# KiCad board panel.kicad_pcb (continued)
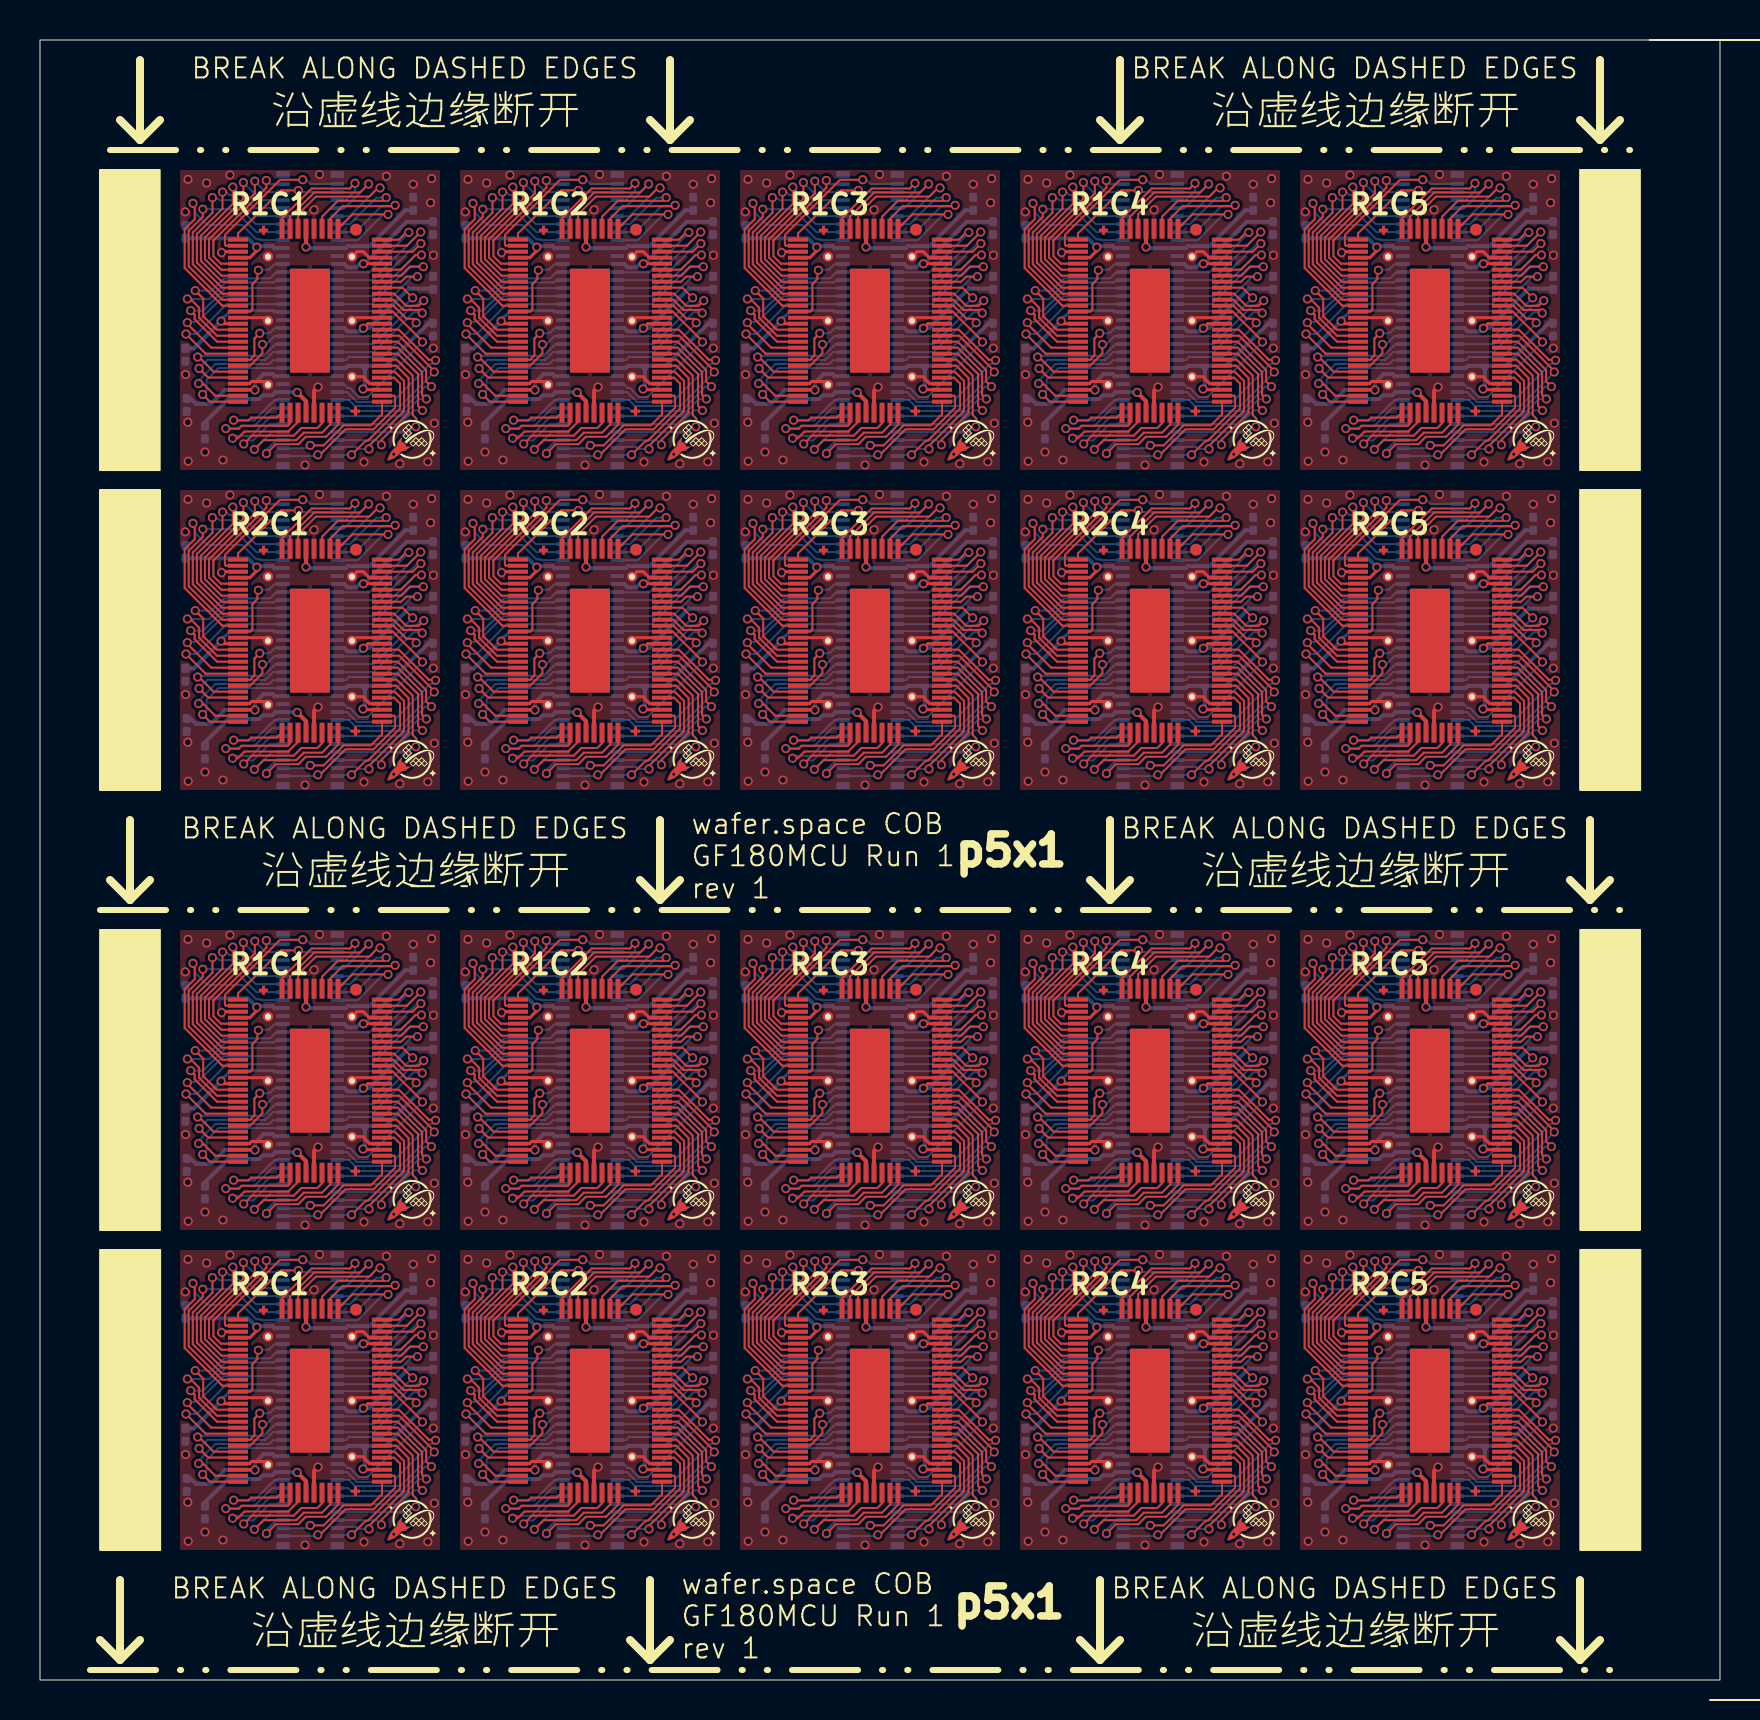
[diagram p0: board, top side]
## Routing (per net, layer and track width the routed paths; a pad name or vN(x,y) marks a point on that pad's centre or on a via; arc(x,y) is an arc through that point) (continued)
/an_2: length 140.9
  Top w0.1: U112.39 12.9,46.91 12.41,46.42 10.22,46.42 9.89,46.09 v1(9.63,46.09) ; U110.39 68.9,24.91 68.41,24.42 66.22,24.42 65.89,24.09 v1(65.63,24.09) ; v1(51.63,24.09) 51.89,24.09 52.22,24.42 54.41,24.42 54.9,24.91 U108.39 ; U110#2.39 68.9,62.91 68.41,62.42 66.22,62.42 65.89,62.09 v1(65.63,62.09) ; U118.39 54.9,46.91 54.41,46.42 52.22,46.42 51.89,46.09 v1(51.63,46.09) ; U106#2.39 40.9,62.91 40.41,62.42 38.22,62.42 37.89,62.09 v1(37.63,62.09) ; U108#2.39 54.9,62.91 54.41,62.42 52.22,62.42 51.89,62.09 v1(51.63,62.09) ; U114#2.39 26.9,8.91 26.41,8.42 24.22,8.42 23.89,8.09 v1(23.63,8.09) ; U114.39 26.9,46.91 26.41,46.42 24.22,46.42 23.89,46.09 v1(23.63,46.09) ; v1(65.63,46.09) 65.89,46.09 66.22,46.42 68.41,46.42 68.9,46.91 U120#2.39 ; v1(37.63,24.09) 37.89,24.09 38.22,24.42 40.41,24.42 40.9,24.91 U106.39 ; v1(23.63,62.09) 23.89,62.09 24.22,62.42 26.41,62.42 26.9,62.91 U104#2.39 ; U120.39 68.9,8.91 68.41,8.42 66.22,8.42 65.89,8.09 v1(65.63,8.09) ; v1(9.63,62.09) 9.89,62.09 10.22,62.42 12.41,62.42 12.9,62.91 U102#2.39 ; U102.39 12.9,24.91 12.41,24.42 10.22,24.42 9.89,24.09 v1(9.63,24.09) ; U104.39 26.9,24.91 26.41,24.42 24.22,24.42 23.89,24.09 v1(23.63,24.09) ; v1(37.63,46.09) 37.89,46.09 38.22,46.42 40.41,46.42 40.9,46.91 U116.39 ; U112#2.39 12.9,8.91 12.41,8.42 10.22,8.42 9.89,8.09 v1(9.63,8.09) ; U116#2.39 40.9,8.91 40.41,8.42 38.22,8.42 37.89,8.09 v1(37.63,8.09) ; U118#2.39 54.9,8.91 54.41,8.42 52.22,8.42 51.89,8.09 v1(51.63,8.09)
  Bottom w0.1: U101#2.41 11.55,25.2 10.57,24.21 9.75,24.21 v1(9.63,24.09) ; v1(51.63,8.09) 51.75,8.21 52.57,8.21 53.55,9.2 U117.41 ; U113.41 25.55,47.2 24.57,46.21 23.75,46.21 v1(23.63,46.09) ; v1(65.63,46.09) 65.75,46.21 66.57,46.21 67.56,47.2 U119#2.41 ; v1(23.63,24.09) 23.75,24.21 24.57,24.21 25.55,25.2 U103.41 ; v1(65.63,24.09) 65.75,24.21 66.57,24.21 67.56,25.2 U109#2.41 ; v1(37.63,8.09) 37.75,8.21 38.57,8.21 39.55,9.2 U115.41 ; v1(23.63,62.09) 23.75,62.21 24.57,62.21 25.55,63.2 U103#2.41 ; U105#2.41 39.55,63.2 38.57,62.21 37.75,62.21 v1(37.63,62.09) ; U111.41 11.55,47.2 10.57,46.21 9.75,46.21 v1(9.63,46.09) ; v1(65.63,62.09) 65.75,62.21 66.57,62.21 67.56,63.2 U109.41 ; U101.41 11.55,63.2 10.57,62.21 9.75,62.21 v1(9.63,62.09) ; v1(51.63,46.09) 51.75,46.21 52.57,46.21 53.55,47.2 U117#2.41 ; v1(37.63,24.09) 37.75,24.21 38.57,24.21 39.55,25.2 U105.41 ; U107#2.41 53.55,25.2 52.57,24.21 51.75,24.21 v1(51.63,24.09) ; U119.41 67.56,9.2 66.57,8.21 65.75,8.21 v1(65.63,8.09) ; U107.41 53.55,63.2 52.57,62.21 51.75,62.21 v1(51.63,62.09) ; v1(9.63,8.09) 9.75,8.21 10.57,8.21 11.55,9.2 U111#2.41 ; U115#2.41 39.55,47.2 38.57,46.21 37.75,46.21 v1(37.63,46.09) ; v1(23.63,8.09) 23.75,8.21 24.57,8.21 25.55,9.2 U113#2.41
/an_3: length 148.9
  Top w0.1: v1(24.18,7.81) 24.6,8.22 26.69,8.22 27.07,8.6 27.87,8.6 28.1,8.83 U114#2.42 ; v1(24.18,23.81) 24.6,24.22 26.69,24.22 27.07,24.6 27.87,24.6 28.1,24.83 U104.42 ; U110#2.42 70.1,62.83 69.87,62.6 69.07,62.6 68.69,62.22 66.6,62.22 v1(66.19,61.81) ; U112.42 14.1,46.83 13.87,46.6 13.07,46.6 12.69,46.22 10.6,46.22 v1(10.18,45.81) ; U106#2.42 42.1,62.83 41.87,62.6 41.07,62.6 40.69,62.22 38.6,62.22 v1(38.18,61.81) ; U118.42 56.1,46.83 55.87,46.6 55.07,46.6 54.69,46.22 52.6,46.22 v1(52.18,45.81) ; v1(66.19,45.81) 66.6,46.22 68.69,46.22 69.07,46.6 69.87,46.6 70.1,46.83 U120#2.42 ; U104#2.42 28.1,62.83 27.87,62.6 27.07,62.6 26.69,62.22 24.6,62.22 v1(24.18,61.81) ; v1(10.18,23.81) 10.6,24.22 12.69,24.22 13.07,24.6 13.87,24.6 14.1,24.83 U102.42 ; U108#2.42 56.1,62.83 55.87,62.6 55.07,62.6 54.69,62.22 52.6,62.22 v1(52.18,61.81) ; U110.42 70.1,24.83 69.87,24.6 69.07,24.6 68.69,24.22 66.6,24.22 v1(66.19,23.81) ; U116.42 42.1,46.83 41.87,46.6 41.07,46.6 40.69,46.22 38.6,46.22 v1(38.18,45.81) ; U120.42 70.1,8.83 69.87,8.6 69.07,8.6 68.69,8.22 66.6,8.22 v1(66.19,7.81) ; v1(52.18,7.81) 52.6,8.22 54.69,8.22 55.07,8.6 55.87,8.6 56.1,8.83 U118#2.42 ; U106.42 42.1,24.83 41.87,24.6 41.07,24.6 40.69,24.22 38.6,24.22 v1(38.18,23.81) ; U116#2.42 42.1,8.83 41.87,8.6 41.07,8.6 40.69,8.22 38.6,8.22 v1(38.18,7.81) ; U112#2.42 14.1,8.83 13.87,8.6 13.07,8.6 12.69,8.22 10.6,8.22 v1(10.18,7.81) ; U114.42 28.1,46.83 27.87,46.6 27.07,46.6 26.69,46.22 24.6,46.22 v1(24.18,45.81) ; v1(10.18,61.81) 10.6,62.22 12.69,62.22 13.07,62.6 13.87,62.6 14.1,62.83 U102#2.42 ; U108.42 56.1,24.83 55.87,24.6 55.07,24.6 54.69,24.22 52.6,24.22 v1(52.18,23.81)
  Bottom w0.1: v1(38.18,45.81) 38.28,45.71 38.28,45.9 38.35,45.97 38.65,45.97 39.48,46.8 U115#2.40 ; U109#2.40 67.47,24.8 66.65,23.97 66.35,23.97 66.28,23.9 66.28,23.71 v1(66.19,23.81) ; U119#2.40 67.47,46.8 66.65,45.97 66.35,45.97 66.28,45.9 66.28,45.71 v1(66.19,45.81) ; U105#2.40 39.48,62.8 38.65,61.97 38.35,61.97 38.28,61.9 38.28,61.71 v1(38.18,61.81) ; v1(66.19,7.81) 66.28,7.71 66.28,7.9 66.35,7.97 66.65,7.97 67.47,8.8 U119.40 ; v1(10.18,7.81) 10.28,7.71 10.28,7.9 10.35,7.97 10.65,7.97 11.48,8.8 U111#2.40 ; U109.40 67.47,62.8 66.65,61.97 66.35,61.97 66.28,61.9 66.28,61.71 v1(66.19,61.81) ; v1(24.18,23.81) 24.28,23.71 24.28,23.9 24.35,23.97 24.65,23.97 25.48,24.8 U103.40 ; U101#2.40 11.48,24.8 10.65,23.97 10.35,23.97 10.28,23.9 10.28,23.71 v1(10.18,23.81) ; U113.40 25.48,46.8 24.65,45.97 24.35,45.97 24.28,45.9 24.28,45.71 v1(24.18,45.81) ; v1(38.18,23.81) 38.28,23.71 38.28,23.9 38.35,23.97 38.65,23.97 39.48,24.8 U105.40 ; U117.40 53.48,8.8 52.65,7.97 52.35,7.97 52.28,7.9 52.28,7.71 v1(52.18,7.81) ; v1(24.18,7.81) 24.28,7.71 24.28,7.9 24.35,7.97 24.65,7.97 25.48,8.8 U113#2.40 ; U107#2.40 53.48,24.8 52.65,23.97 52.35,23.97 52.28,23.9 52.28,23.71 v1(52.18,23.81) ; U101.40 11.48,62.8 10.65,61.97 10.35,61.97 10.28,61.9 10.28,61.71 v1(10.18,61.81) ; U117#2.40 53.48,46.8 52.65,45.97 52.35,45.97 52.28,45.9 52.28,45.71 v1(52.18,45.81) ; U111.40 11.48,46.8 10.65,45.97 10.35,45.97 10.28,45.9 10.28,45.71 v1(10.18,45.81) ; v1(38.18,7.81) 38.28,7.71 38.28,7.9 38.35,7.97 38.65,7.97 39.48,8.8 U115.40 ; U103#2.40 25.48,62.8 24.65,61.97 24.35,61.97 24.28,61.9 24.28,61.71 v1(24.18,61.81) ; v1(52.18,61.81) 52.28,61.71 52.28,61.9 52.35,61.97 52.65,61.97 53.48,62.8 U107.40
/an_4: length 133.7
  Top w0.1: U118#2.43 56.5,8.77 56.1,8.37 55.19,8.37 54.81,7.99 53.18,7.99 v1(52.72,7.53) ; U106#2.43 42.5,62.77 42.1,62.37 41.19,62.37 40.81,61.99 39.18,61.99 v1(38.72,61.53) ; v1(66.72,61.53) 67.18,61.99 68.81,61.99 69.19,62.37 70.1,62.37 70.5,62.77 U110#2.43 ; U114.43 28.5,46.77 28.1,46.37 27.19,46.37 26.81,45.99 25.18,45.99 v1(24.72,45.53) ; U112#2.43 14.5,8.77 14.1,8.37 13.19,8.37 12.81,7.99 11.18,7.99 v1(10.72,7.53) ; U106.43 42.5,24.77 42.1,24.37 41.19,24.37 40.81,23.99 39.18,23.99 v1(38.72,23.53) ; U108.43 56.5,24.77 56.1,24.37 55.19,24.37 54.81,23.99 53.18,23.99 v1(52.72,23.53) ; U118.43 56.5,46.77 56.1,46.37 55.19,46.37 54.81,45.99 53.18,45.99 v1(52.72,45.53) ; v1(66.72,7.53) 67.18,7.99 68.81,7.99 69.19,8.37 70.1,8.37 70.5,8.77 U120.43 ; v1(10.72,45.53) 11.18,45.99 12.81,45.99 13.19,46.37 14.1,46.37 14.5,46.77 U112.43 ; v1(24.72,7.53) 25.18,7.99 26.81,7.99 27.19,8.37 28.1,8.37 28.5,8.77 U114#2.43 ; U102#2.43 14.5,62.77 14.1,62.37 13.19,62.37 12.81,61.99 11.18,61.99 v1(10.72,61.53) ; U104.43 28.5,24.77 28.1,24.37 27.19,24.37 26.81,23.99 25.18,23.99 v1(24.72,23.53) ; U116.43 42.5,46.77 42.1,46.37 41.19,46.37 40.81,45.99 39.18,45.99 v1(38.72,45.53) ; U110.43 70.5,24.77 70.1,24.37 69.19,24.37 68.81,23.99 67.18,23.99 v1(66.72,23.53) ; v1(24.72,61.53) 25.18,61.99 26.81,61.99 27.19,62.37 28.1,62.37 28.5,62.77 U104#2.43 ; v1(38.72,7.53) 39.18,7.99 40.81,7.99 41.19,8.37 42.1,8.37 42.5,8.77 U116#2.43 ; v1(52.72,61.53) 53.18,61.99 54.81,61.99 55.19,62.37 56.1,62.37 56.5,62.77 U108#2.43 ; U120#2.43 70.5,46.77 70.1,46.37 69.19,46.37 68.81,45.99 67.18,45.99 v1(66.72,45.53) ; U102.43 14.5,24.77 14.1,24.37 13.19,24.37 12.81,23.99 11.18,23.99 v1(10.72,23.53)
  Bottom w0.1: v1(10.72,45.53) 11.59,46.39 12.15,46.39 ; 12.15,8.39 11.59,8.39 v1(10.72,7.53) ; 54.15,46.39 53.59,46.39 v1(52.72,45.53) ; v1(66.72,7.53) 67.59,8.39 68.16,8.39 ; v1(52.72,23.53) 53.59,24.39 54.15,24.39 ; U107.39 53.59,62.4 v1(52.72,61.53) ; U101.39 11.59,62.4 v1(10.72,61.53) ; v1(66.72,45.53) 67.59,46.39 68.16,46.39 ; v1(24.72,23.53) 25.59,24.39 26.15,24.39 ; v1(24.72,45.53) 25.59,46.39 26.15,46.39 ; U103#2.39 25.59,62.4 v1(24.72,61.53) ; 68.16,24.39 67.59,24.39 v1(66.72,23.53) ; v1(66.72,61.53) 67.59,62.4 U109.39 ; v1(24.72,7.53) 25.59,8.39 26.15,8.39 ; v1(38.72,45.53) 39.59,46.39 40.15,46.39 ; 54.15,8.39 53.59,8.39 v1(52.72,7.53) ; U105#2.39 39.59,62.4 v1(38.72,61.53) ; v1(38.72,7.53) 39.59,8.39 40.15,8.39 ; 40.15,24.39 39.59,24.39 v1(38.72,23.53) ; v1(10.72,23.53) 11.59,24.39 12.15,24.39
/an_5: length 119.9
  Top w0.1: U102#2.44 14.9,62.77 14.3,62.16 13.29,62.16 12.92,61.79 11.79,61.79 v1(11.32,61.32) ; v1(53.32,45.32) 53.79,45.79 54.92,45.79 55.29,46.16 56.3,46.16 56.9,46.77 U118.44 ; v1(67.32,7.32) 67.79,7.79 68.92,7.79 69.29,8.16 70.3,8.16 70.9,8.77 U120.44 ; v1(11.32,23.32) 11.79,23.79 12.92,23.79 13.29,24.16 14.3,24.16 14.9,24.77 U102.44 ; U110.44 70.9,24.77 70.3,24.16 69.29,24.16 68.92,23.79 67.79,23.79 v1(67.32,23.32) ; U106.44 42.9,24.77 42.3,24.16 41.29,24.16 40.92,23.79 39.79,23.79 v1(39.32,23.32) ; v1(39.32,7.32) 39.79,7.79 40.92,7.79 41.29,8.16 42.3,8.16 42.9,8.77 U116#2.44 ; U104.44 28.9,24.77 28.3,24.16 27.29,24.16 26.92,23.79 25.79,23.79 v1(25.32,23.32) ; v1(53.32,7.32) 53.79,7.79 54.92,7.79 55.29,8.16 56.3,8.16 56.9,8.77 U118#2.44 ; U116.44 42.9,46.77 42.3,46.16 41.29,46.16 40.92,45.79 39.79,45.79 v1(39.32,45.32) ; U104#2.44 28.9,62.77 28.3,62.16 27.29,62.16 26.92,61.79 25.79,61.79 v1(25.32,61.32) ; U112.44 14.9,46.77 14.3,46.16 13.29,46.16 12.92,45.79 11.79,45.79 v1(11.32,45.32) ; U108.44 56.9,24.77 56.3,24.16 55.29,24.16 54.92,23.79 53.79,23.79 v1(53.32,23.32) ; v1(25.32,45.32) 25.79,45.79 26.92,45.79 27.29,46.16 28.3,46.16 28.9,46.77 U114.44 ; v1(25.32,7.32) 25.79,7.79 26.92,7.79 27.29,8.16 28.3,8.16 28.9,8.77 U114#2.44 ; U106#2.44 42.9,62.77 42.3,62.16 41.29,62.16 40.92,61.79 39.79,61.79 v1(39.32,61.32) ; U112#2.44 14.9,8.77 14.3,8.16 13.29,8.16 12.92,7.79 11.79,7.79 v1(11.32,7.32) ; U108#2.44 56.9,62.77 56.3,62.16 55.29,62.16 54.92,61.79 53.79,61.79 v1(53.32,61.32) ; U120#2.44 70.9,46.77 70.3,46.16 69.29,46.16 68.92,45.79 67.79,45.79 v1(67.32,45.32) ; v1(67.32,61.32) 67.79,61.79 68.92,61.79 69.29,62.16 70.3,62.16 70.9,62.77 U110#2.44
  Bottom w0.1: U105.38 39.82,24 39.32,23.5 v1(39.32,23.32) ; v1(67.32,23.32) 67.32,23.5 67.82,24 U109#2.38 ; v1(25.32,45.32) 25.32,45.5 25.82,46 U113.38 ; v1(53.32,23.32) 53.32,23.5 53.82,24 U107#2.38 ; U115.38 39.82,8 39.32,7.5 v1(39.32,7.32) ; v1(53.32,61.32) 53.32,61.5 53.82,62 54.15,62 ; 68.16,62 67.82,62 67.32,61.5 v1(67.32,61.32) ; U117.38 53.82,8 53.32,7.5 v1(53.32,7.32) ; v1(25.32,23.32) 25.32,23.5 25.82,24 U103.38 ; v1(53.32,45.32) 53.32,45.5 53.82,46 U117#2.38 ; v1(39.32,61.32) 39.32,61.5 39.82,62 40.15,62 ; v1(11.32,45.32) 11.32,45.5 11.82,46 U111.38 ; v1(67.32,7.32) 67.32,7.5 67.82,8 U119.38 ; 26.15,62 25.82,62 25.32,61.5 v1(25.32,61.32) ; v1(11.32,23.32) 11.32,23.5 11.82,24 U101#2.38 ; v1(11.32,61.32) 11.32,61.5 11.82,62 12.15,62 ; v1(39.32,45.32) 39.32,45.5 39.82,46 U115#2.38 ; U113#2.38 25.82,8 25.32,7.5 v1(25.32,7.32) ; v1(67.32,45.32) 67.32,45.5 67.82,46 U119#2.38 ; U111#2.38 11.82,8 11.32,7.5 v1(11.32,7.32)
/bidir_0: length 124.1
  Top w0.1: v1(40.92,36.48) 40.05,36.48 37.9,34.33 U106.9 ; U116#2.9 37.9,18.33 40.05,20.48 v1(40.92,20.48) ; U102.9 9.9,34.33 12.05,36.48 v1(12.92,36.48) ; v1(26.92,20.48) 26.05,20.48 23.9,18.33 U114#2.9 ; v1(54.92,74.48) 54.05,74.48 51.9,72.33 U108#2.9 ; v1(26.92,58.48) 26.05,58.48 23.9,56.33 U114.9 ; v1(68.92,58.48) 68.05,58.48 65.9,56.33 U120#2.9 ; U104#2.9 23.9,72.33 26.05,74.48 v1(26.92,74.48) ; v1(40.92,58.48) 40.05,58.48 37.9,56.33 U116.9 ; U102#2.9 9.9,72.33 12.05,74.48 v1(12.92,74.48) ; v1(12.92,58.48) 12.05,58.48 9.9,56.33 U112.9 ; v1(54.92,36.48) 54.05,36.48 51.9,34.33 U108.9 ; U112#2.9 9.9,18.33 12.05,20.48 v1(12.92,20.48) ; v1(54.92,58.48) 54.05,58.48 51.9,56.33 U118.9 ; v1(26.92,36.48) 26.05,36.48 23.9,34.33 U104.9 ; v1(40.92,74.48) 40.05,74.48 37.9,72.33 U106#2.9 ; U120.9 65.9,18.33 68.05,20.48 v1(68.92,20.48) ; U110#2.9 65.9,72.33 68.05,74.48 v1(68.92,74.48) ; v1(54.92,20.48) 54.05,20.48 51.9,18.33 U118#2.9 ; U110.9 65.9,34.33 68.05,36.48 v1(68.92,36.48)
  Bottom w0.1: 56.87,36.39 55.16,36.39 55.08,36.48 v1(54.92,36.48) ; v1(26.92,74.48) 27.08,74.48 27.16,74.4 U103#2.2 ; v1(12.92,20.48) 13.08,20.48 13.16,20.39 14.87,20.39 ; v1(54.92,58.48) 55.08,58.48 55.16,58.39 56.87,58.39 ; 42.87,58.39 41.16,58.39 41.08,58.48 v1(40.92,58.48) ; v1(68.92,20.48) 69.08,20.48 69.16,20.39 70.87,20.39 ; U105#2.2 41.16,74.4 41.08,74.48 v1(40.92,74.48) ; v1(12.92,36.48) 13.08,36.48 13.16,36.39 14.87,36.39 ; v1(68.92,36.48) 69.08,36.48 69.16,36.39 70.87,36.39 ; v1(40.92,36.48) 41.08,36.48 41.16,36.39 42.87,36.39 ; U107.2 55.16,74.4 55.08,74.48 v1(54.92,74.48) ; v1(68.92,74.48) 69.08,74.48 69.16,74.4 U109.2 ; 28.87,58.39 27.16,58.39 27.08,58.48 v1(26.92,58.48) ; v1(12.92,58.48) 13.08,58.48 13.16,58.39 14.87,58.39 ; v1(40.92,20.48) 41.08,20.48 41.16,20.39 42.87,20.39 ; v1(12.92,74.48) 13.08,74.48 13.16,74.4 U101.2 ; 28.87,36.39 27.16,36.39 27.08,36.48 v1(26.92,36.48) ; v1(54.92,20.48) 55.08,20.48 55.16,20.39 56.87,20.39 ; 28.87,20.39 27.16,20.39 27.08,20.48 v1(26.92,20.48) ; v1(68.92,58.48) 69.08,58.48 69.16,58.39 70.87,58.39
/bidir_1: length 160.3
  Top w0.1: v1(55.14,75.01) 55.13,75.01 54,75.01 51.25,72.26 51.25,71.76 51.29,71.72 U108#2.10 ; U102.10 9.29,33.72 9.25,33.76 9.25,34.26 12,37.01 13.13,37.01 v1(13.14,37.01) ; U106#2.10 37.29,71.72 37.25,71.76 37.25,72.26 40,75.01 41.13,75.01 v1(41.14,75.01) ; U102#2.10 9.29,71.72 9.25,71.76 9.25,72.26 12,75.01 13.13,75.01 v1(13.14,75.01) ; U120.10 65.29,17.72 65.25,17.76 65.25,18.26 68,21.01 69.13,21.01 v1(69.14,21.01) ; U118#2.10 51.29,17.72 51.25,17.76 51.25,18.26 54,21.01 55.13,21.01 v1(55.14,21.01) ; v1(27.14,75.01) 27.13,75.01 26,75.01 23.25,72.26 23.25,71.76 23.29,71.72 U104#2.10 ; v1(41.14,59.01) 41.13,59.01 40,59.01 37.25,56.26 37.25,55.76 37.29,55.72 U116.10 ; v1(27.14,21.01) 27.13,21.01 26,21.01 23.25,18.26 23.25,17.76 23.29,17.72 U114#2.10 ; U106.10 37.29,33.72 37.25,33.76 37.25,34.26 40,37.01 41.13,37.01 v1(41.14,37.01) ; U110#2.10 65.29,71.72 65.25,71.76 65.25,72.26 68,75.01 69.13,75.01 v1(69.14,75.01) ; v1(27.14,37.01) 27.13,37.01 26,37.01 23.25,34.26 23.25,33.76 23.29,33.72 U104.10 ; U112.10 9.29,55.72 9.25,55.76 9.25,56.26 12,59.01 13.13,59.01 v1(13.14,59.01) ; v1(55.14,59.01) 55.13,59.01 54,59.01 51.25,56.26 51.25,55.76 51.29,55.72 U118.10 ; v1(55.14,37.01) 55.13,37.01 54,37.01 51.25,34.26 51.25,33.76 51.29,33.72 U108.10 ; v1(41.14,21.01) 41.13,21.01 40,21.01 37.25,18.26 37.25,17.76 37.29,17.72 U116#2.10 ; v1(13.14,21.01) 13.13,21.01 12,21.01 9.25,18.26 9.25,17.76 9.29,17.72 U112#2.10 ; U120#2.10 65.29,55.72 65.25,55.76 65.25,56.26 68,59.01 69.13,59.01 v1(69.14,59.01) ; U114.10 23.29,55.72 23.25,55.76 23.25,56.26 26,59.01 27.13,59.01 v1(27.14,59.01) ; v1(69.14,37.01) 69.13,37.01 68,37.01 65.25,34.26 65.25,33.76 65.29,33.72 U110.10
  Bottom w0.1: v1(27.14,21.01) 27.33,21.01 27.54,20.8 U113#2.1 ; v1(27.14,59.01) 27.33,59.01 27.54,58.8 U113.1 ; v1(27.14,75.01) 27.33,75.01 27.54,74.8 U103#2.1 ; U111.1 13.54,58.8 13.33,59.01 v1(13.14,59.01) ; v1(27.14,37.01) 27.33,37.01 27.54,36.8 U103.1 ; v1(13.14,37.01) 13.33,37.01 13.54,36.8 U101#2.1 ; U117.1 55.54,20.8 55.33,21.01 v1(55.14,21.01) ; U115#2.1 41.54,58.8 41.33,59.01 v1(41.14,59.01) ; U117#2.1 55.54,58.8 55.33,59.01 v1(55.14,59.01) ; U109.1 69.54,74.8 69.33,75.01 v1(69.14,75.01) ; U111#2.1 13.54,20.8 13.33,21.01 v1(13.14,21.01) ; v1(55.14,75.01) 55.33,75.01 55.54,74.8 U107.1 ; U115.1 41.54,20.8 41.33,21.01 v1(41.14,21.01) ; U105.1 41.54,36.8 41.33,37.01 v1(41.14,37.01) ; v1(55.14,37.01) 55.33,37.01 55.54,36.8 U107#2.1 ; v1(69.14,37.01) 69.33,37.01 69.54,36.8 U109#2.1 ; v1(13.14,75.01) 13.33,75.01 13.54,74.8 U101.1 ; U105#2.1 41.54,74.8 41.33,75.01 v1(41.14,75.01) ; U119.1 69.54,20.8 69.33,21.01 v1(69.14,21.01) ; U119#2.1 69.54,58.8 69.33,59.01 v1(69.14,59.01)
/bidir_2: length 143.6
  Top w0.1: 23.9,70.81 23.05,70.81 22.67,71.19 22.67,71.97 25.32,74.62 v1(25.32,74.98) ; U112#2.13 9.05,16.81 8.67,17.19 8.67,17.97 11.32,20.62 v1(11.32,20.98) ; 37.9,70.81 37.05,70.81 36.67,71.19 36.67,71.97 39.32,74.62 v1(39.32,74.98) ; v1(53.32,20.98) 53.32,20.62 50.67,17.97 50.67,17.19 51.05,16.81 U118#2.13 ; v1(67.32,74.98) 67.32,74.62 64.67,71.97 64.67,71.19 65.05,70.81 65.9,70.81 ; v1(39.32,58.98) 39.32,58.62 36.67,55.97 36.67,55.19 37.05,54.81 U116.13 ; v1(53.32,36.98) 53.32,36.62 50.67,33.97 50.67,33.19 51.05,32.81 U108.13 ; v1(39.32,36.98) 39.32,36.62 36.67,33.97 36.67,33.19 37.05,32.81 U106.13 ; U120.13 65.05,16.81 64.67,17.19 64.67,17.97 67.32,20.62 v1(67.32,20.98) ; v1(25.32,58.98) 25.32,58.62 22.67,55.97 22.67,55.19 23.05,54.81 U114.13 ; v1(53.32,58.98) 53.32,58.62 50.67,55.97 50.67,55.19 51.05,54.81 U118.13 ; v1(53.32,74.98) 53.32,74.62 50.67,71.97 50.67,71.19 51.05,70.81 51.9,70.81 ; v1(67.32,58.98) 67.32,58.62 64.67,55.97 64.67,55.19 65.05,54.81 U120#2.13 ; v1(25.32,36.98) 25.32,36.62 22.67,33.97 22.67,33.19 23.05,32.81 U104.13 ; U112.13 9.05,54.81 8.67,55.19 8.67,55.97 11.32,58.62 v1(11.32,58.98) ; U116#2.13 37.05,16.81 36.67,17.19 36.67,17.97 39.32,20.62 v1(39.32,20.98) ; U114#2.13 23.05,16.81 22.67,17.19 22.67,17.97 25.32,20.62 v1(25.32,20.98) ; v1(67.32,36.98) 67.32,36.62 64.67,33.97 64.67,33.19 65.05,32.81 U110.13 ; v1(11.32,36.98) 11.32,36.62 8.67,33.97 8.67,33.19 9.05,32.81 U102.13 ; 9.9,70.81 9.05,70.81 8.67,71.19 8.67,71.97 11.32,74.62 v1(11.32,74.98)
  Bottom w0.1: U105#2.70 39.5,74.8 v1(39.32,74.98) ; v1(11.32,20.98) 11.5,20.8 U111#2.70 ; v1(53.32,36.98) 53.5,36.8 U107#2.70 ; v1(53.32,20.98) 53.5,20.8 U117.70 ; U105.70 39.5,36.8 v1(39.32,36.98) ; U119.70 67.5,20.8 v1(67.32,20.98) ; v1(67.32,58.98) 67.5,58.8 U119#2.70 ; v1(25.32,74.98) 25.5,74.8 U103#2.70 ; U113.70 25.5,58.8 v1(25.32,58.98) ; U109#2.70 67.5,36.8 v1(67.32,36.98) ; U113#2.70 25.5,20.8 v1(25.32,20.98) ; U115#2.70 39.5,58.8 v1(39.32,58.98) ; v1(53.32,58.98) 53.5,58.8 U117#2.70 ; v1(11.32,74.98) 11.5,74.8 U101.70 ; v1(67.32,74.98) 67.5,74.8 U109.70 ; U101#2.70 11.5,36.8 v1(11.32,36.98) ; v1(39.32,20.98) 39.5,20.8 U115.70 ; v1(53.32,74.98) 53.5,74.8 U107.70 ; v1(11.32,58.98) 11.5,58.8 U111.70 ; v1(25.32,36.98) 25.5,36.8 U103.70
/bidir_3: length 162.2
  Top w0.1: v1(66.74,36.94) 66.74,36.33 64.45,34.04 64.45,33.13 65.06,32.52 U110.14 ; U120.14 65.06,16.52 64.45,17.13 64.45,18.04 66.74,20.33 v1(66.74,20.94) ; U116#2.14 37.06,16.52 36.45,17.13 36.45,18.04 38.74,20.33 v1(38.74,20.94) ; v1(52.74,58.94) 52.74,58.33 50.45,56.04 50.45,55.13 51.06,54.52 U118.14 ; v1(24.74,20.94) 24.74,20.33 22.45,18.04 22.45,17.13 23.06,16.52 U114#2.14 ; v1(24.74,36.94) 24.74,36.33 22.45,34.04 22.45,33.13 23.06,32.52 U104.14 ; v1(24.74,74.94) 24.74,74.33 22.45,72.04 22.45,71.13 23.06,70.52 U104#2.14 ; U106#2.14 37.06,70.52 36.45,71.13 36.45,72.04 38.74,74.33 v1(38.74,74.94) ; v1(38.74,58.94) 38.74,58.33 36.45,56.04 36.45,55.13 37.06,54.52 U116.14 ; U102.14 9.06,32.52 8.45,33.13 8.45,34.04 10.74,36.33 v1(10.74,36.94) ; v1(10.74,58.94) 10.74,58.33 8.45,56.04 8.45,55.13 9.06,54.52 U112.14 ; v1(66.74,58.94) 66.74,58.33 64.45,56.04 64.45,55.13 65.06,54.52 U120#2.14 ; v1(24.74,58.94) 24.74,58.33 22.45,56.04 22.45,55.13 23.06,54.52 U114.14 ; v1(52.74,36.94) 52.74,36.33 50.45,34.04 50.45,33.13 51.06,32.52 U108.14 ; U108#2.14 51.06,70.52 50.45,71.13 50.45,72.04 52.74,74.33 v1(52.74,74.94) ; U110#2.14 65.06,70.52 64.45,71.13 64.45,72.04 66.74,74.33 v1(66.74,74.94) ; v1(38.74,36.94) 38.74,36.33 36.45,34.04 36.45,33.13 37.06,32.52 U106.14 ; v1(10.74,74.94) 10.74,74.33 8.45,72.04 8.45,71.13 9.06,70.52 U102#2.14 ; v1(52.74,20.94) 52.74,20.33 50.45,18.04 50.45,17.13 51.06,16.52 U118#2.14 ; U112#2.14 9.06,16.52 8.45,17.13 8.45,18.04 10.74,20.33 v1(10.74,20.94)
  Bottom w0.1: U109.69 67.29,74.4 v1(66.74,74.94) ; v1(24.74,74.94) 25.29,74.4 U103#2.69 ; v1(38.74,58.94) 39.29,58.39 40.15,58.39 ; 12.15,58.39 11.29,58.39 v1(10.74,58.94) ; v1(66.74,58.94) 67.29,58.39 68.16,58.39 ; v1(38.74,20.94) 39.29,20.39 40.15,20.39 ; 26.15,58.39 25.29,58.39 v1(24.74,58.94) ; 26.15,20.39 25.29,20.39 v1(24.74,20.94) ; v1(52.74,36.94) 53.29,36.39 54.15,36.39 ; v1(52.74,58.94) 53.29,58.39 54.15,58.39 ; v1(10.74,74.94) 11.29,74.4 U101.69 ; v1(66.74,36.94) 67.29,36.39 68.16,36.39 ; v1(10.74,20.94) 11.29,20.39 12.15,20.39 ; v1(52.74,74.94) 53.29,74.4 U107.69 ; 68.16,20.39 67.29,20.39 v1(66.74,20.94) ; v1(10.74,36.94) 11.29,36.39 12.15,36.39 ; v1(24.74,36.94) 25.29,36.39 26.15,36.39 ; 40.15,36.39 39.29,36.39 v1(38.74,36.94) ; U105#2.69 39.29,74.4 v1(38.74,74.94) ; v1(52.74,20.94) 53.29,20.39 54.15,20.39
/bidir_4: length 179.4
  Top w0.1: U110#2.15 65.08,70.22 64.25,71.04 64.25,72.12 66.17,74.05 v1(66.17,74.87) ; U104.15 23.08,32.22 22.25,33.04 22.25,34.12 24.17,36.05 v1(24.17,36.87) ; v1(38.17,20.87) 38.17,20.05 36.25,18.12 36.25,17.04 37.08,16.22 U116#2.15 ; v1(24.17,20.87) 24.17,20.05 22.25,18.12 22.25,17.04 23.08,16.22 U114#2.15 ; U118.15 51.08,54.22 50.25,55.04 50.25,56.12 52.17,58.05 v1(52.17,58.87) ; U108.15 51.08,32.22 50.25,33.04 50.25,34.12 52.17,36.05 v1(52.17,36.87) ; U120.15 65.08,16.22 64.25,17.04 64.25,18.12 66.17,20.05 v1(66.17,20.87) ; U118#2.15 51.08,16.22 50.25,17.04 50.25,18.12 52.17,20.05 v1(52.17,20.87) ; v1(24.17,74.87) 24.17,74.05 22.25,72.12 22.25,71.04 23.08,70.22 U104#2.15 ; v1(10.17,20.87) 10.17,20.05 8.25,18.12 8.25,17.04 9.08,16.22 U112#2.15 ; v1(10.17,36.87) 10.17,36.05 8.25,34.12 8.25,33.04 9.08,32.22 U102.15 ; v1(10.17,58.87) 10.17,58.05 8.25,56.12 8.25,55.04 9.08,54.22 U112.15 ; U116.15 37.08,54.22 36.25,55.04 36.25,56.12 38.17,58.05 v1(38.17,58.87) ; U108#2.15 51.08,70.22 50.25,71.04 50.25,72.12 52.17,74.05 v1(52.17,74.87) ; U106#2.15 37.08,70.22 36.25,71.04 36.25,72.12 38.17,74.05 v1(38.17,74.87) ; v1(24.17,58.87) 24.17,58.05 22.25,56.12 22.25,55.04 23.08,54.22 U114.15 ; U102#2.15 9.08,70.22 8.25,71.04 8.25,72.12 10.17,74.05 v1(10.17,74.87) ; v1(66.17,58.87) 66.17,58.05 64.25,56.12 64.25,55.04 65.08,54.22 U120#2.15 ; v1(38.17,36.87) 38.17,36.05 36.25,34.12 36.25,33.04 37.08,32.22 U106.15 ; v1(66.17,36.87) 66.17,36.05 64.25,34.12 64.25,33.04 65.08,32.22 U110.15
  Bottom w0.1: v1(66.17,58.87) 67.05,58 U119#2.68 ; v1(10.17,74.87) 11.05,74 U101.68 ; v1(38.17,74.87) 39.05,74 U105#2.68 ; v1(52.17,36.87) 53.05,36 U107#2.68 ; v1(10.17,58.87) 11.05,58 U111.68 ; U103#2.68 25.05,74 v1(24.17,74.87) ; v1(66.17,74.87) 67.05,74 U109.68 ; v1(66.17,20.87) 67.05,20 U119.68 ; v1(10.17,36.87) 11.05,36 U101#2.68 ; v1(38.17,20.87) 39.05,20 U115.68 ; U105.68 39.05,36 v1(38.17,36.87) ; v1(52.17,20.87) 53.05,20 U117.68 ; v1(52.17,58.87) 53.05,58 U117#2.68 ; v1(10.17,20.87) 11.05,20 U111#2.68 ; U107.68 53.05,74 v1(52.17,74.87) ; v1(66.17,36.87) 67.05,36 U109#2.68 ; v1(24.17,58.87) 25.05,58 U113.68 ; U113#2.68 25.05,20 v1(24.17,20.87) ; U115#2.68 39.05,58 v1(38.17,58.87) ; v1(24.17,36.87) 25.05,36 U103.68
/bidir_5: length 191.7
  Top w0.1: 51.9,69.91 51.09,69.91 50.04,70.96 50.04,72.21 51.64,73.81 v1(51.64,74.64) ; v1(9.64,36.64) 9.64,35.81 8.04,34.21 8.04,32.96 9.09,31.92 U102.16 ; U118#2.16 51.09,15.92 50.04,16.96 50.04,18.21 51.64,19.81 v1(51.64,20.64) ; v1(65.64,36.64) 65.64,35.81 64.04,34.21 64.04,32.96 65.09,31.92 U110.16 ; v1(37.64,36.64) 37.64,35.81 36.04,34.21 36.04,32.96 37.09,31.92 U106.16 ; U112.16 9.09,53.92 8.04,54.96 8.04,56.21 9.64,57.81 v1(9.64,58.64) ; U120.16 65.09,15.92 64.04,16.96 64.04,18.21 65.64,19.81 v1(65.64,20.64) ; U114#2.16 23.09,15.92 22.04,16.96 22.04,18.21 23.64,19.81 v1(23.64,20.64) ; U120#2.16 65.09,53.92 64.04,54.96 64.04,56.21 65.64,57.81 v1(65.64,58.64) ; v1(9.64,74.64) 9.64,73.81 8.04,72.21 8.04,70.96 9.09,69.91 9.9,69.91 ; v1(37.64,58.64) 37.64,57.81 36.04,56.21 36.04,54.96 37.09,53.92 U116.16 ; v1(23.64,36.64) 23.64,35.81 22.04,34.21 22.04,32.96 23.09,31.92 U104.16 ; U116#2.16 37.09,15.92 36.04,16.96 36.04,18.21 37.64,19.81 v1(37.64,20.64) ; U118.16 51.09,53.92 50.04,54.96 50.04,56.21 51.64,57.81 v1(51.64,58.64) ; v1(23.64,58.64) 23.64,57.81 22.04,56.21 22.04,54.96 23.09,53.92 U114.16 ; 23.9,69.91 23.09,69.91 22.04,70.96 22.04,72.21 23.64,73.81 v1(23.64,74.64) ; v1(9.64,20.64) 9.64,19.81 8.04,18.21 8.04,16.96 9.09,15.92 U112#2.16 ; v1(37.64,74.64) 37.64,73.81 36.04,72.21 36.04,70.96 37.09,69.91 37.9,69.91 ; v1(51.64,36.64) 51.64,35.81 50.04,34.21 50.04,32.96 51.09,31.92 U108.16 ; v1(65.64,74.64) 65.64,73.81 64.04,72.21 64.04,70.96 65.09,69.91 65.9,69.91
  Bottom w0.1: v1(23.64,36.64) 24.69,35.59 U103.67 ; U115#2.67 38.69,57.59 v1(37.64,58.64) ; U111#2.67 10.69,19.59 v1(9.64,20.64) ; v1(23.64,20.64) 24.69,19.59 U113#2.67 ; U109.67 66.69,73.59 v1(65.64,74.64) ; v1(23.64,58.64) 24.69,57.59 U113.67 ; v1(23.64,74.64) 24.69,73.59 U103#2.67 ; U101#2.67 10.69,35.59 v1(9.64,36.64) ; v1(37.64,20.64) 38.69,19.59 U115.67 ; U105.67 38.69,35.59 v1(37.64,36.64) ; v1(65.64,58.64) 66.69,57.59 U119#2.67 ; U111.67 10.69,57.59 v1(9.64,58.64) ; U109#2.67 66.69,35.59 v1(65.64,36.64) ; v1(9.64,74.64) 10.69,73.59 U101.67 ; v1(51.64,20.64) 52.69,19.59 U117.67 ; U117#2.67 52.69,57.59 v1(51.64,58.64) ; U119.67 66.69,19.59 v1(65.64,20.64) ; U107#2.67 52.69,35.59 v1(51.64,36.64) ; v1(51.64,74.64) 52.69,73.59 U107.67 ; U105#2.67 38.69,73.59 v1(37.64,74.64)
